# Altium PCB AFE.PcbDoc (part 1 of 2) (continued)
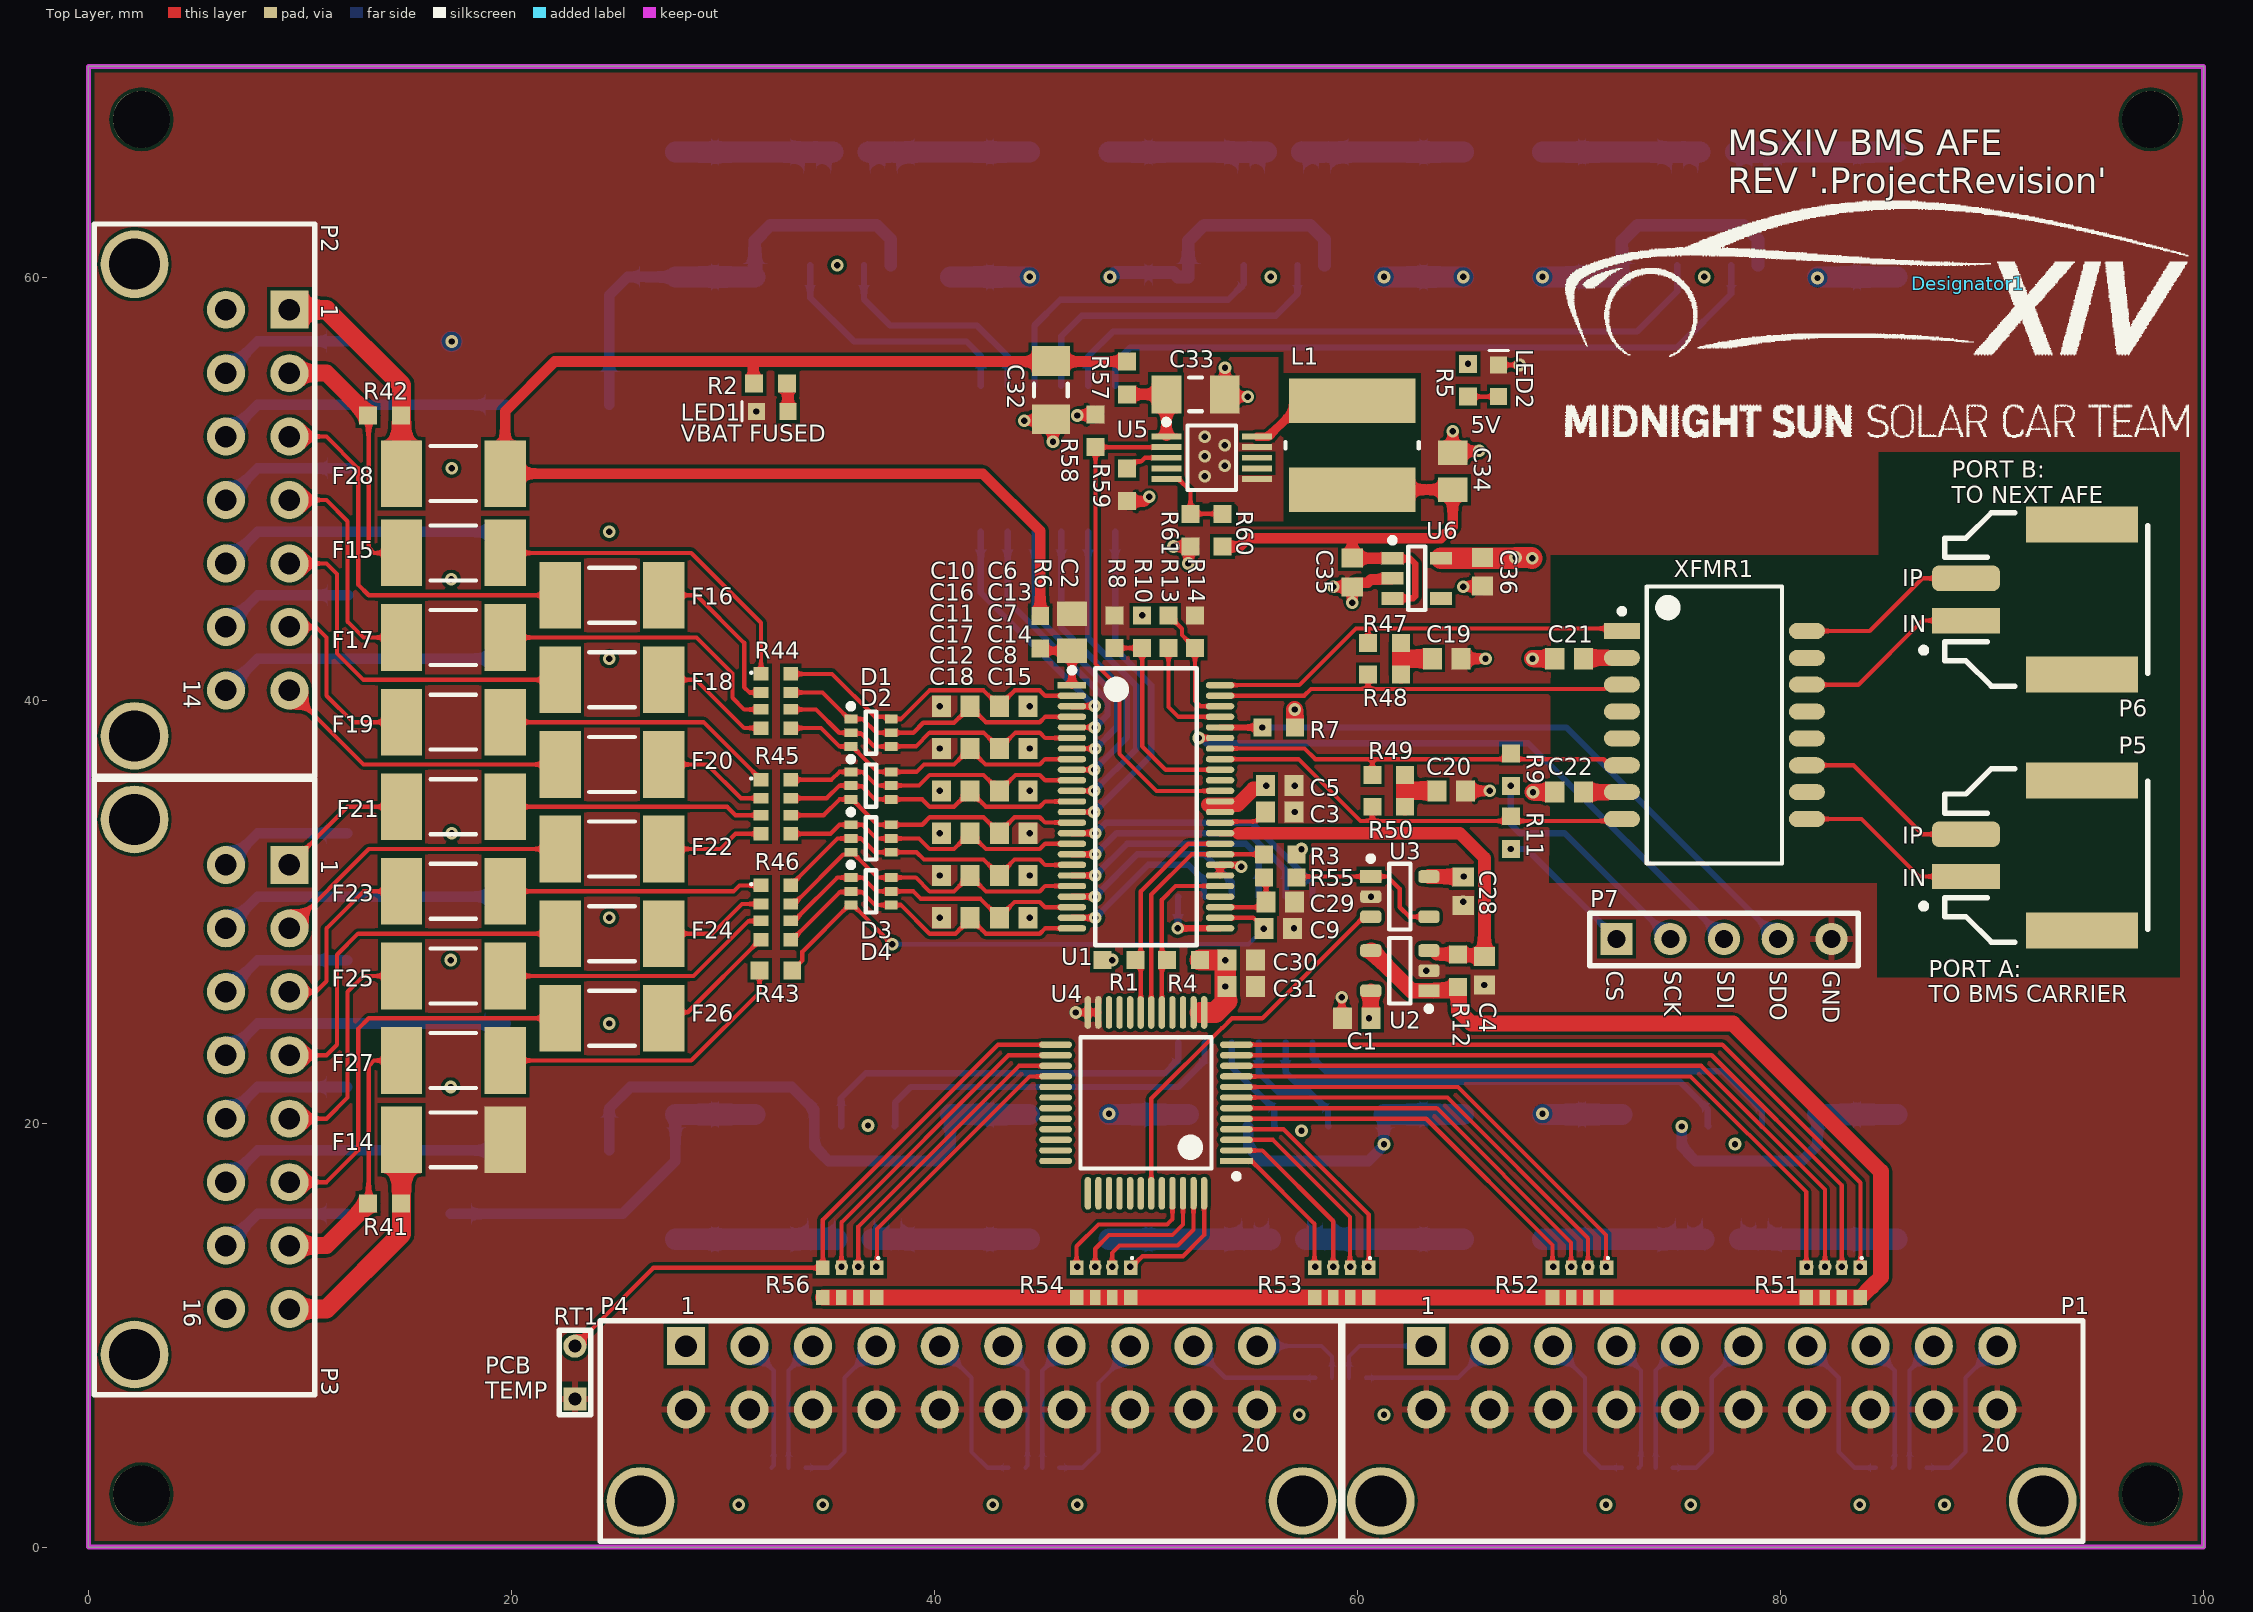
[diagram p0: Top Layer view]
## Part data (continued)
LED1: "Red 631nm LED Indication - Discrete 2V 0603 (1608 Metric)", Color=Red, Current - Test=20mA, Lens Color=Colorless, Manufacturer="Wurth Electronics Inc.", Manufacturer Part Number=150060RS75000, Millicandela Rating=250mcd, Package / Case="0603 (1608 Metric)", Supplier Device Package=0603, Supplier Part Number 1=732-4978-1-ND, Voltage - Forward (Vf) (Typ)=2V, Category=Optoelectronics, ComponentLink1Description=http://katalog.we-online.de/led/datasheet/150060RS75000.pdf, ComponentLink1URL=http://katalog.we-online.de/led/datasheet/150060RS75000.pdf, Features=-, Height (Max)=0.80mm, Lens Style/Size="Rectangle with Flat Top, 1.10mm x 0.70mm", Lens Transparency=Clear, Mounting Type="Surface Mount", Packaging="Cut Tape (CT)", Part Status=Active, Pricing 1="1=0.21, 100=0.1617, 500=0.13964 (CAD)", RoHS="RoHS Compliant", Size / Dimension="1.60mm L x 0.80mm W", Stock 1=35521, Supplier 1=Digi-Key, Viewing Angle=140°, Wavelength - Dominant=625nm, Wavelength - Peak=630nm
LED2: "Green 572nm LED Indication - Discrete 2V 0603 (1608 Metric)", Color=Green, Current - Test=20mA, Lens Color=Colorless, Manufacturer="Wurth Electronics Inc.", Manufacturer Part Number=150060VS75000, Millicandela Rating=40mcd, Package / Case="0603 (1608 Metric)", Supplier Device Package=0603, Supplier Part Number 1=732-4980-1-ND, Voltage - Forward (Vf) (Typ)=2V, Category=Optoelectronics, ComponentLink1Description=http://katalog.we-online.de/led/datasheet/150060VS75000.pdf, ComponentLink1URL=http://katalog.we-online.de/led/datasheet/150060VS75000.pdf, Features=-, Height (Max)=0.80mm, Lens Style/Size="Rectangle with Flat Top, 1.10mm x 0.70mm", Lens Transparency=Clear, Mounting Type="Surface Mount", Packaging="Cut Tape (CT)", Part Status=Active, Pricing 1="1=0.21, 100=0.1617, 500=0.13964 (CAD)", RoHS="RoHS Compliant", Size / Dimension="1.60mm L x 0.80mm W", Stock 1=9408, Supplier 1=Digi-Key, Viewing Angle=140°, Wavelength - Dominant=570nm, Wavelength - Peak=572nm
P1 P4: "Connector Header Through Hole, Right Angle 20 position 0.118\" (3.00mm)", Color=Black, Contact Resistance=10mR, Manufacturer=Molex, Manufacturer Part Number=0430452021, Max Operating Temperature=105°C, Min Operating Temperature=-40°C, Supplier Part Number 1=WM20137-ND, ComponentLink1Description=https://datasheet.ciiva.com/6841/430450223-sd-6841489.pdf?src-supplier=Digi-Key, ComponentLink1URL=https://datasheet.ciiva.com/6841/430450223-sd-6841489.pdf?src-supplier=Digi-Key, ComponentLink2Description=https://datasheet.ciiva.com/10077/0430452021-pcb-headers-10077829.pdf?src-supplier=Avnet, ComponentLink2URL=https://datasheet.ciiva.com/10077/0430452021-pcb-headers-10077829.pdf?src-supplier=Avnet, Connector Type="Male Pin", Contact Material=Brass, Contact Plating=Tin, Depth=12.2mm, Fastening Type=Ramp, Housing Color=Black, Housing Material=Polymer, Length=34.15mm, Mount="Through Hole", Number of Contacts=20, Number of Positions=20, Number of Rows=2, Orientation="Right Angle", Packaging=Tray, Pitch=3mm, Pricing 1="1=5.68000, 10=5.44900, 25=4.99520, 50=4.76820, 100=4.54120, 250=3.97356, 648=3.86002, 1296=3.29237, 2592=3.06531 (USD)", RoHS=Yes, Row Spacing=0.118inch, Stock 1=1054, Supplier 1=Digi-Key, Termination=Solder
P2: "Connector Header Through Hole, Right Angle 14 position 0.118\" (3.00mm)", Color=Black, Contact Resistance=10mR, Manufacturer=Molex, Manufacturer Part Number=0430451421, Max Operating Temperature=105°C, Max Voltage Rating (AC)=250V, Min Operating Temperature=-40°C, Package Quantity=936, Supplier Part Number 1=WM14571-ND, ComponentLink1Description=https://datasheet.ciiva.com/6841/430450223-sd-6841489.pdf?src-supplier=Digi-Key, ComponentLink1URL=https://datasheet.ciiva.com/6841/430450223-sd-6841489.pdf?src-supplier=Digi-Key, Connector Type="Male Pin", Contact Material=Brass, Contact Plating=Tin, Depth=12.2mm, Fastening Type=Ramp, Housing Color=Black, Housing Material=Polymer, Length=25.15mm, Max Voltage Rating (DC)=250V, Mount="Through Hole", Number of Contacts=14, Number of Positions=14, Number of Rows=2, Orientation="Right Angle", Packaging=Tray, Pitch=3mm, Pricing 1="1=4.12000, 10=3.95700, 25=3.62760, 50=3.46260, 100=3.29780, 250=2.88556, 936=2.55579, 1872=2.30846, 2808=2.22601 (USD)", RoHS=Yes, Row Spacing=0.118inch, Stock 1=776, Supplier 1=Digi-Key, Termination=Solder
P3: "Connector Header Through Hole, Right Angle 16 position 0.118\" (3.00mm)", Color=Black, Contact Resistance=10mR, Manufacturer=Molex, Manufacturer Part Number=0430451621, Max Operating Temperature=105°C, Min Operating Temperature=-40°C, Package Quantity=792, Supplier Part Number 1=WM14573-ND, ComponentLink1Description=https://datasheet.ciiva.com/6841/430450223-sd-6841489.pdf?src-supplier=Digi-Key, ComponentLink1URL=https://datasheet.ciiva.com/6841/430450223-sd-6841489.pdf?src-supplier=Digi-Key, Connector Type="Male Pin", Contact Material=Brass, Contact Plating=Tin, Depth=12.2mm, Fastening Type=Ramp, Housing Color=Black, Housing Material=Polymer, Length=28.15mm, Mount="Through Hole", Number of Contacts=16, Number of Positions=16, Number of Rows=2, Orientation="Right Angle", Packaging=Tray, Pitch=3mm, Pricing 1="1=4.58000, 10=4.39500, 25=4.02880, 50=3.84560, 100=3.66240, 250=3.20460, 792=2.83836, 1584=2.56368, 3168=2.47212 (USD)", RoHS=Yes, Row Spacing=0.118inch, Stock 1=701, Supplier 1=Digi-Key, Termination=Solder
P5 P6: "2 Positions Header, Shrouded Connector 0.079\" (2.00mm) Surface Mount, Right Angle Tin", Current Rating=-, Insulation Color=Natural, Manufacturer 1="Molex, LLC", Manufacturer Part Number 1=5023520200, Material Flammability Rating="UL94 V-0", Supplier Part Number 1=WM7169CT-ND, ComponentLink1Description=http://www.molex.com/pdm_docs/sd/5023520200_sd.pdf, ComponentLink1URL=http://www.molex.com/pdm_docs/sd/5023520200_sd.pdf, Connector Type=Header, Contact Finish - Mating=Tin, Contact Finish - Post=Tin, Contact Finish Thickness - Mating=-, Contact Finish Thickness - Post=-, Contact Length - Mating="0.135\" (3.45mm)", Contact Length - Post=-, Contact Material="Copper Alloy", Contact Shape=Square, Contact Type="Male Pin", Fastening Type="Latch Lock", Ingress Protection=-, Insulation Height="0.252\" (6.40mm)", Insulation Material="Polyamide (PA), Nylon", Mated Stacking Heights=11mm, Mounting Type="Surface Mount, Right Angle", Number of Positions=2, Number of Positions Loaded=All, Number of Rows=1, Operating Temperature=-, Overall Contact Length=-, Packaging="Cut Tape (CT)", Part Status=Active, Pitch - Mating="0.079\" (2.00mm)", Row Spacing - Mating=-, Series=DuraClik, Shrouding="Shrouded - 4 Wall", Style="Board to Cable/Wire", Supplier 1=Digi-Key, Termination=Solder, Voltage=-
P7: library part "CONN 5POS HEADR MALE 0.1in", "5 Positions Header, Breakaway Connector 0.100\" (2.54mm) Through Hole Tin", Colour=Black, Contact Resistance=20mR, Manufacturer 1=Molex, Manufacturer Part Number 1=0022284050, Max Operating Temperature=75°C, Max Voltage Rating (AC)=250V, Min Operating Temperature=0°C, Supplier Part Number 1=WM50014-05-ND, ComponentLink1Description=https://datasheet.ciiva.com/6814/022284363-sd-6814049.pdf, ComponentLink1URL=https://datasheet.ciiva.com/6814/022284363-sd-6814049.pdf, ComponentLink2Description=https://datasheet.ciiva.com/14804/179390022284050-pcb-headers-14804361.pdf, ComponentLink2URL=https://datasheet.ciiva.com/14804/179390022284050-pcb-headers-14804361.pdf, ComponentLink3Description=https://datasheet.ciiva.com/15217/getdatasheetpartid-256138-15217709.pdf, ComponentLink3URL=https://datasheet.ciiva.com/15217/getdatasheetpartid-256138-15217709.pdf, Connector Type="Male Pin", Contact Material=Bronze,Brass, Contact Mating Length=0.24inch, Contact Plating=Nickel,Tin, Depth=2.49mm, Description 1="Conn Unshrouded Header HDR 5 POS 2.54mm Solder ST Thru-Hole KK® Bag", Gender=Male, Housing Colour=Black, Housing Material=Nylon, Length=12.7mm, Max Voltage Rating (DC)=250V, Mount="Through Hole", Number of Contacts=5, Number of Positions=5, Number of Rows=1, Orientation=Straight, Packaging=Bulk, Pitch=2.54mm, Pricing 1="1=0.22, 10=0.21, 25=0.1796, 50=0.157, 100=0.1459, 250=0.129, 500=0.1234 (USD)", Stock 1=3161, Supplier 1=Digi-Key, Termination=Solder
Q1 Q2 Q3 Q4 Q5 Q6: "Mosfet Array 2 P-Channel (Dual) 40V 8A 3.2W Surface Mount 8-SO", Current - Continuous Drain (Id) @ 25°C=8A, Drain to Source Voltage (Vdss)=40V, Input Capacitance (Ciss) (Max) @ Vds="2000pF @ 20V", Manufacturer 1="Vishay Siliconix", Manufacturer Part Number 1=SI4909DY-T1-GE3, Operating Temperature="-55°C ~ 150°C (TJ)", Package / Case="8-SOIC (0.154\", 3.90mm Width)", Power - Max=3.2W, Supplier Device Package=8-SO, Supplier Part Number 1=SI4909DY-T1-GE3CT-ND, Category="Discrete Semiconductor Products", ComponentLink1Description=http://www.vishay.com/docs/67077/si4909dy.pdf, ComponentLink1URL=http://www.vishay.com/docs/67077/si4909dy.pdf, Description 1="MOSFET 2P-CH 40V 8A 8SO", FET Feature="Logic Level Gate", FET Type="2 P-Channel (Dual)", Gate Charge (Qg) (Max) @ Vgs="63nC @ 10V", Mounting Type="Surface Mount", Packaging="Cut Tape (CT)", Part Status=Active, Pricing 1="1=1.57, 10=1.407, 25=1.3352, 100=1.0969, 250=1.02536, 500=0.90614, 1000=0.71538 (CAD)", Rds On (Max) @ Id, Vgs="27 mOhm @ 8A, 10V", RoHS="RoHS Compliant", Stock 1=11582, Supplier 1=Digi-Key, Vgs(th) (Max) @ Id="2.5V @ 250µA"
R1 R3 R4 R5 R7: "4.7k Ohm ±1% 0.1W, 1/10W Chip Resistor 0603 (1608 Metric) Moisture Resistant Thick Film", Manufacturer 1=Yageo, Manufacturer Part Number 1=RC0603FR-074K7L, Operating Temperature="-55°C ~ 155°C", Package / Case="0603 (1608 Metric)", Power (Watts)=1/10W, Resistance (Ohms)=4.7k, Supplier Device Package=0603, Supplier Part Number 1=311-4.70KHRCT-ND, Temperature Coefficient=±100ppm/°C, Tolerance=±1%, Category=Resistors, ComponentLink1Description=http://www.yageo.com/documents/recent/PYu-RC_Group_51_RoHS_L_7.pdf, ComponentLink1URL=http://www.yageo.com/documents/recent/PYu-RC_Group_51_RoHS_L_7.pdf, Composition="Thick Film", Description 1="RES SMD 4.7K OHM 1% 1/10W 0603", Failure Rate=-, Features="Moisture Resistant", Height - Seated (Max)="0.022\" (0.55mm)", Packaging="Cut Tape (CT)", Part Status=Active, Pricing 1="1=0.16, 10=0.022, 100=0.0089, 1000=0.00402, 2500=0.00349 (CAD)", RoHS="RoHS Compliant", Size / Dimension="0.063\" L x 0.031\" W (1.60mm x 0.80mm)", Stock 1=3487566, Supplier 1=Digi-Key
R2: "RES SMD 100K OHM 5% 1/10W 0603", Manufacturer 1=Yageo, Manufacturer Part Number 1=RC0603JR-07100KL, Operating Temperature="-55°C ~ 155°C", Package / Case="0603 (1608 Metric)", Power=1/10W, Resistance=100k, Supplier Device Package=0603, Supplier Part Number 1=311-100KGRCT-ND, Temperature Coefficient=±100ppm/°C, Tolerance=±5%, ComponentLink1Description=http://www.yageo.com/documents/recent/PYu-RC_Group_51_RoHS_L_7.pdf, ComponentLink1URL=http://www.yageo.com/documents/recent/PYu-RC_Group_51_RoHS_L_7.pdf, Composition="Thick Film", Failure Rate=-, Height - Seated (Max)="0.022\" (0.55mm)", Packaging="Cut Tape (CT)", Part Status=Active, Size / Dimension="0.063\" L x 0.031\" W (1.60mm x 0.80mm)", Supplier 1=Digi-Key
R6 R43 R55: "100 Ohm ±1% 0.1W, 1/10W Chip Resistor 0603 (1608 Metric) Moisture Resistant Thick Film", Manufacturer 1=Yageo, Manufacturer Part Number 1=RC0603FR-07100RL, Operating Temperature="-55°C ~ 155°C", Package / Case="0603 (1608 Metric)", Power=1/10W, Resistance=100, Supplier Device Package=0603, Supplier Part Number 1=311-100HRCT-ND, Temperature Coefficient=±100ppm/°C, Tolerance=±1%, ComponentLink1Description=http://www.yageo.com/documents/recent/PYu-RC_Group_51_RoHS_L_7.pdf, ComponentLink1URL=http://www.yageo.com/documents/recent/PYu-RC_Group_51_RoHS_L_7.pdf, Composition="Thick Film", Failure Rate=-, Height - Seated (Max)="0.022\" (0.55mm)", Packaging="Cut Tape (CT)", Part Status=Active, Size / Dimension="0.063\" L x 0.031\" W (1.60mm x 0.80mm)", Supplier 1=Digi-Key
R8 R9 R10 R11 R12 R41 R42: "RES SMD 0.0 OHM JUMPER 1/4W 0603", Manufacturer 1="Vishay Dale", Manufacturer Part Number 1=CRCW06030000Z0EAHP, Operating Temperature="-55°C ~ 155°C", Package / Case="0603 (1608 Metric)", Power (Watts)=1/4W, Resistance=0.0, Supplier Device Package=0603, Supplier Part Number 1=541-0.0SBCT-ND, ComponentLink1Description=http://www.vishay.com/docs/20043/crcwhpe3.pdf, ComponentLink1URL=http://www.vishay.com/docs/20043/crcwhpe3.pdf, Composition="Thick Film", Failure Rate=-, Height - Seated (Max)="0.022\" (0.55mm)", Packaging="Cut Tape (CT)", Part Status=Active, Size / Dimension="0.063\" L x 0.033\" W (1.60mm x 0.85mm)", Supplier 1=Digi-Key
R13: "RES SMD 1.4K OHM 1% 1/10W 0603", Manufacturer 1=Yageo, Manufacturer Part Number 1=RC0603FR-071K4L, Operating Temperature="-55°C ~ 155°C", Package / Case="0603 (1608 Metric)", Power=1/10W, Resistance=1.4k, Supplier Device Package=0603, Supplier Part Number 1=311-1.40KHRCT-ND, Temperature Coefficient=±100ppm/°C, Tolerance=±1%, ComponentLink1Description=http://www.yageo.com/documents/recent/PYu-RC_Group_51_RoHS_L_7.pdf, ComponentLink1URL=http://www.yageo.com/documents/recent/PYu-RC_Group_51_RoHS_L_7.pdf, Composition="Thick Film", Failure Rate=-, Height - Seated (Max)="0.022\" (0.55mm)", Packaging="Cut Tape (CT)", Part Status=Active, Size / Dimension="0.063\" L x 0.031\" W (1.60mm x 0.80mm)", Supplier 1=Digi-Key
R14: "RES SMD 604 OHM 1% 1/10W 0603", Manufacturer 1=Yageo, Manufacturer Part Number 1=RC0603FR-07604RL, Operating Temperature="-55°C ~ 155°C", Package / Case="0603 (1608 Metric)", Power=1/10W, Resistance=604, Supplier Device Package=0603, Supplier Part Number 1=311-604HRCT-ND, Temperature Coefficient=±100ppm/°C, Tolerance=±1%, ComponentLink1Description=http://www.yageo.com/documents/recent/PYu-RC_Group_51_RoHS_L_7.pdf, ComponentLink1URL=http://www.yageo.com/documents/recent/PYu-RC_Group_51_RoHS_L_7.pdf, Composition="Thick Film", Failure Rate=-, Height - Seated (Max)="0.022\" (0.55mm)", Packaging="Cut Tape (CT)", Part Status=Active, Size / Dimension="0.063\" L x 0.031\" W (1.60mm x 0.80mm)", Supplier 1=Digi-Key
R15 R16 R17 R18 R19 R20 R21 R22 R23 R24 R25 R26 R28 R29 R30 R31 R32 R33 R34 R35 R36 R37 R38 R39: "33 Ohms ±5% 1.5W Chip Resistor 2512 (6432 Metric) Automotive AEC-Q200, Pulse Withstanding Thick Film", Manufacturer="Stackpole Electronics Inc.", Manufacturer Part Number=RPC2512JT33R0, Operating Temperature="-55°C ~ 155°C", Package / Case="2512 (6432 Metric)", Power (Watts)=1.5W, Supplier Device Package=2512, Supplier Part Number 1=RPC2512JT33R0CT-ND, Temperature Coefficient=±100ppm/°C, Tolerance=±5%, Category=Resistors, ComponentLink1Description=https://www.seielect.com/Catalog/SEI-rpc.pdf, ComponentLink1URL=https://www.seielect.com/Catalog/SEI-rpc.pdf, Composition="Thick Film", Failure Rate=-, Features="Automotive AEC-Q200, Pulse Withstanding", Height - Seated (Max)="0.026\" (0.65mm)", Packaging="Cut Tape (CT)", Part Status=Active, Pricing 1="1=0.88, 10=0.632, 100=0.3284, 1000=0.17685 (CAD)", RoHS="RoHS Compliant", Size / Dimension="0.250\" L x 0.122\" W (6.35mm x 3.10mm)", Stock 1=28556, Supplier 1=Digi-Key
R27 R40: "3.3k Ohm ±2% 160mW Power Per Element Isolated  Resistor Network/Array ±100ppm/°C 16-SOIC (0.220\", 5.59mm Width)", Case/Package=SOIC, Manufacturer=Bourns, Manufacturer Part Number=4816P-1-332LF, Max Operating Temperature=125°C, Min Operating Temperature=-55°C, Number of Resistors=8, Package Quantity=1, Power Per Element=160mW, Power Rating=1.28W, Resistance=3.3kR, Supplier Part Number 1=4816P-1-332LFCT-ND, Temperature Coefficient=100ppm/°C, Tolerance=2%, Voltage Rating (DC)=50V, Circuit Type=Isolated, ComponentLink1Description=https://datasheet.ciiva.com/6494/4800p-6494310.pdf?src-supplier=Digi-Key, ComponentLink1URL=https://datasheet.ciiva.com/6494/4800p-6494310.pdf?src-supplier=Digi-Key, ComponentLink2Description=https://datasheet.ciiva.com/6494/4800p-6494312.pdf?src-supplier=Digi-Key, ComponentLink2URL=https://datasheet.ciiva.com/6494/4800p-6494312.pdf?src-supplier=Digi-Key, ComponentLink3Description=https://datasheet.ciiva.com/16826/4800p-16826713.pdf?src-supplier=Avnet+Europe, ComponentLink3URL=https://datasheet.ciiva.com/16826/4800p-16826713.pdf?src-supplier=Avnet+Europe, ComponentLink4Description=https://datasheet.ciiva.com/6494/4800p-6494315.pdf?src-supplier=Digi-Key, ComponentLink4URL=https://datasheet.ciiva.com/6494/4800p-6494315.pdf?src-supplier=Digi-Key, ComponentLink5Description=https://datasheet.ciiva.com/8370/4800p-8370733.pdf?src-supplier=Avnet, ComponentLink5URL=https://datasheet.ciiva.com/8370/4800p-8370733.pdf?src-supplier=Avnet, Depth=7.62mm, Height=0.085inch, Lead Pitch=1.27mm, Length=0.44inch, Military Standard=Not, Mount="Surface Mount", Number of Pins=16, Number of Terminals=16, Packaging="Tape and Reel", Pricing 1="1=1.31000, 10=1.15900, 25=1.06600, 50=0.97240, 100=0.84150, 250=0.71060, 500=0.59840, 1000=0.49742 (USD)", Radiation Hardening=No, RoHS=Yes, Stock 1=3189, Supplier 1=Digi-Key, Terminal Pitch=1.27mm, Termination="Gull Wing", Width=0.22inch
R44 R45 R46: "100 Ohm ±0.5% 100mW Power Per Element Isolated 4 Resistor Network/Array ±50ppm/°C 1206 (3216 Metric), Convex, Long Side Terminals", Case/Package=0612, Case Code (Imperial)=1206, Case Code (Metric)=3216, Manufacturer="Vishay Beyschlag", Manufacturer Part Number=ACASA1002S1002P100, Max Operating Temperature=125°C, Min Operating Temperature=-55°C, Number of Resistors=4, Operating Temperature="-55°C ~ 125°C", Package / Case="1206 (3216 Metric), Convex, Long Side Terminals", Package Quantity=1, Power Per Element=100mW, Power Rating=300mW, Resistance=100, Supplier Part Number 1=ACASA-100/100-2CT-ND, Temperature Coefficient=±50ppm/°C, Tolerance=±0.5%, Applications="Voltage Divider (TCR Matched)", Category=Resistors, Circuit Type=Isolated, ComponentLink3Description=https://datasheet.ciiva.com/8336/acaprof-8336568.pdf?src-supplier=Avnet, ComponentLink3URL=https://datasheet.ciiva.com/8336/acaprof-8336568.pdf?src-supplier=Avnet, Depth=1.5mm, Height=0.55mm, Height - Seated (Max)="0.022\" (0.55mm)", Length=1.5mm, Military Standard=Not, Mount="Surface Mount", Mounting Type="Surface Mount", Number of Pins=8, Number of Terminals=8, Packaging="Cut Tape (CT)", Part Status=Active, Pricing 1="1=0.74000, 10=0.54700, 25=0.44400, 50=0.38620, 100=0.31850, 250=0.27672, 500=0.22522 (USD)", Radiation Hardening=No, RoHS="RoHS Compliant", Size / Dimension="0.126\" L x 0.059\" W (3.20mm x 1.50mm)", Stock 1=5815, Supplier 1=Digi-Key, Supplier Device Package=0612, Terminal Pitch=0.8mm, Termination=Convex, Weight=0.000233oz, Width=3.2mm
R47 R48 R49 R50: library part "RES 62 OHM 0.1% 1/10W 0603", "62 Ohms ±0.1% 0.1W, 1/10W Chip Resistor 0603 (1608 Metric) Automotive AEC-Q200 Thin Film", Manufacturer="Panasonic Electronic Components", Manufacturer Part Number=ERA-3AEB620V, Operating Temperature="-55°C ~ 155°C", Package / Case="0603 (1608 Metric)", Power (Watts)="0.1W, 1/10W", Supplier Device Package=0603, Supplier Part Number 1=P62DBCT-ND, Temperature Coefficient=±25ppm/°C, Tolerance=±0.1%, Category=Resistors, ComponentLink1Description=https://industrial.panasonic.com/cdbs/www-data/pdf/RDM0000/AOA0000C307.pdf, ComponentLink1URL=https://industrial.panasonic.com/cdbs/www-data/pdf/RDM0000/AOA0000C307.pdf, Composition="Thin Film", Failure Rate=-, Features="Automotive AEC-Q200", Height - Seated (Max)="0.022\" (0.55mm)", Packaging="Cut Tape (CT)", Part Status=Active, Pricing 1="1=0.52, 10=0.447, 100=0.1748, 1000=0.07317, 2500=0.06708 (CAD)", RoHS="RoHS Compliant", Size / Dimension="0.063\" L x 0.032\" W (1.60mm x 0.80mm)", Stock 1=10320, Supplier 1=Digi-Key
R51 R52 R53 R54 R56: "10k Ohm ±0.1% 100mW Power Per Element Isolated 4 Resistor Network/Array ±25ppm/°C 1206 (3216 Metric), Convex, Long Side Terminals", Manufacturer="Vishay Beyschlag", Manufacturer Part Number=ACASA1002S1002P100, Number of Resistors=4, Operating Temperature="-55°C ~ 125°C", Package / Case="1206 (3216 Metric), Convex, Long Side Terminals", Power Per Element=100mW, Resistance (Ohms)=10k, Resistor-Ratio-Drift="±15 ppm/°C", Resistor Matching Ratio=±0.05%, Supplier Device Package=0612, Supplier Part Number 1=749-1023-1-ND, Temperature Coefficient=±25ppm/°C, Tolerance=±0.1%, Applications="Voltage Divider (TCR Matched)", Category=Resistors, Circuit Type=Isolated, ComponentLink1Description=http://www.vishay.com/docs/28751/acasprec.pdf, ComponentLink1URL=http://www.vishay.com/docs/28751/acasprec.pdf, Height - Seated (Max)="0.022\" (0.55mm)", Mounting Type="Surface Mount", Packaging="Cut Tape (CT)", Part Status=Active, Pricing 1="1=1.19, 10=0.99, 25=0.8484, 50=0.7636, 100=0.6647, 250=0.59392, 500=0.4808 (CAD)", RoHS="RoHS Compliant", Size / Dimension="0.126\" L x 0.059\" W (3.20mm x 1.50mm)", Stock 1=18780, Supplier 1=Digi-Key
R57: "RES SMD 820 OHM 5% 1/4W 0603", Manufacturer 1="Rohm Semiconductor", Manufacturer Part Number 1=ESR03EZPJ821, Operating Temperature="-55°C ~ 155°C", Package / Case="0603 (1608 Metric)", Power=1/4W, Resistance=820, Supplier Device Package=0603, Supplier Part Number 1=RHM820DCT-ND, Temperature Coefficient=±200ppm/°C, Tolerance=±5%, ComponentLink1Description=http://www.rohm.com/web/global/datasheet/ESR01MZPF/esr-e, ComponentLink1URL=http://www.rohm.com/web/global/datasheet/ESR01MZPF/esr-e, Composition="Thick Film", Failure Rate=-, Height - Seated (Max)="0.022\" (0.55mm)", Packaging="Cut Tape (CT)", Part Status=Active, Size / Dimension="0.063\" L x 0.031\" W (1.60mm x 0.80mm)", Supplier 1=Digi-Key
R58: "RES SMD 10K OHM 1% 1/10W 0603", Manufacturer 1=Yageo, Manufacturer Part Number 1=RC0603FR-0710KL, Operating Temperature="-55°C ~ 155°C", Package / Case="0603 (1608 Metric)", Power=1/10W, Resistance=10k, Supplier Device Package=0603, Supplier Part Number 1=311-10.0KHRCT-ND, Temperature Coefficient=±100ppm/°C, Tolerance=±1%, ComponentLink1Description=http://www.yageo.com/documents/recent/PYu-RC_Group_51_RoHS_L_7.pdf, ComponentLink1URL=http://www.yageo.com/documents/recent/PYu-RC_Group_51_RoHS_L_7.pdf, Composition="Thick Film", Failure Rate=-, Height - Seated (Max)="0.022\" (0.55mm)", Packaging="Cut Tape (CT)", Part Status=Active, Size / Dimension="0.063\" L x 0.031\" W (1.60mm x 0.80mm)", Supplier 1=Digi-Key
R59: "191k Ohm ±1% 0.1W, 1/10W Chip Resistor 0603 (1608 Metric) Moisture Resistant Thick Film", Manufacturer 1=Yageo, Manufacturer Part Number 1=RC0603FR-07191KL, Operating Temperature="-55°C ~ 155°C", Package / Case="0603 (1608 Metric)", Power=1/10W, Resistance=191k, Supplier Device Package=0603, Supplier Part Number 1=311-191KHRCT-ND, Temperature Coefficient=±100ppm/°C, Tolerance=±1%, ComponentLink1Description=http://www.yageo.com/documents/recent/PYu-RC_Group_51_RoHS_L_7.pdf, ComponentLink1URL=http://www.yageo.com/documents/recent/PYu-RC_Group_51_RoHS_L_7.pdf, Composition="Thick Film", Failure Rate=-, Height - Seated (Max)="0.022\" (0.55mm)", Packaging="Cut Tape (CT)", Part Status=Active, Size / Dimension="0.063\" L x 0.031\" W (1.60mm x 0.80mm)", Supplier 1=Digi-Key
R60: "255k Ohm ±1% 0.1W, 1/10W Chip Resistor 0603 (1608 Metric) Moisture Resistant Thick Film", Manufacturer 1=Yageo, Manufacturer Part Number 1=RC0603FR-07255KL, Operating Temperature="-55°C ~ 155°C", Package / Case="0603 (1608 Metric)", Power (Watts)=1/10W, Resistance (Ohms)=255k, Supplier Device Package=0603, Supplier Part Number 1=311-255KHRCT-ND, Temperature Coefficient=±100ppm/°C, Tolerance=±1%, Category=Resistors, ComponentLink1Description=http://www.yageo.com/documents/recent/PYu-RC_Group_51_RoHS_L_7.pdf, ComponentLink1URL=http://www.yageo.com/documents/recent/PYu-RC_Group_51_RoHS_L_7.pdf, Composition="Thick Film", Description 1="RES SMD 255K OHM 1% 1/10W 0603", Failure Rate=-, Features="Moisture Resistant", Height - Seated (Max)="0.022\" (0.55mm)", Packaging="Cut Tape (CT)", Part Status=Active, Pricing 1="1=0.16, 10=0.022, 100=0.0089, 1000=0.00402, 2500=0.00349 (CAD)", RoHS="RoHS Compliant", Size / Dimension="0.063\" L x 0.031\" W (1.60mm x 0.80mm)", Stock 1=106564, Supplier 1=Digi-Key
R61: "39.2k Ohm ±1% 0.1W, 1/10W Chip Resistor 0603 (1608 Metric) Moisture Resistant Thick Film", Manufacturer 1=Yageo, Manufacturer Part Number 1=RC0603FR-0739K2L, Operating Temperature="-55°C ~ 155°C", Package / Case="0603 (1608 Metric)", Power=1/10W, Resistance=39.2k, Supplier Device Package=0603, Supplier Part Number 1=311-39.2KHRCT-ND, Temperature Coefficient=±100ppm/°C, Tolerance=±1%, ComponentLink1Description=http://www.yageo.com/documents/recent/PYu-RC_Group_51_RoHS_L_7.pdf, ComponentLink1URL=http://www.yageo.com/documents/recent/PYu-RC_Group_51_RoHS_L_7.pdf, Composition="Thick Film", Failure Rate=-, Height - Seated (Max)="0.022\" (0.55mm)", Packaging="Cut Tape (CT)", Part Status=Active, Size / Dimension="0.063\" L x 0.031\" W (1.60mm x 0.80mm)", Supplier 1=Digi-Key
RT1: library part "NTC THERMISTOR 10K 1% BEAD", "NTC Thermistor 10k Bead", B Value Tolerance=±1%, Manufacturer="Murata Electronics North America", Manufacturer Part Number=NXRT15XH103FA1B030, Operating Temperature="-40°C ~ 125°C", Package / Case=Bead, Resistance in Ohms @ 25°C=10k, Supplier Part Number 1=490-8601-ND, B0/50=-, B25/50=3380K, B25/75=-, B25/85=3434K, B25/100=3455K, Category="Sensors, Transducers", ComponentLink1Description=https://www.murata.com/~/media/webrenewal/support/library/catalog/products/thermistor/ntc/r44e.ashx, ComponentLink1URL=https://www.murata.com/~/media/webrenewal/support/library/catalog/products/thermistor/ntc/r44e.ashx, Length - Lead Wire=-, Mounting Type="Through Hole", Packaging=Bulk, Part Status=Active, Pricing 1="1=0.96, 5=0.91, 10=0.792, 25=0.696, 50=0.5784, 100=0.4925, 500=0.42834, 1000=0.3748, 5000=0.33197 (CAD)", Resistance Tolerance=±1%, RoHS="RoHS Compliant", Stock 1=25017, Supplier 1=Digi-Key
U1: "Battery Battery Monitor IC Multi-Chemistry 48-SSOP", Manufacturer 1="Linear Technology", Manufacturer Part Number 1=LTC6804IG-1#PBF, Operating Temperature="-40°C ~ 85°C (TA)", Package / Case="48-FSOP (0.209\", 5.30mm Width)", Supplier Device Package=48-SSOP, Supplier Part Number 1=LTC6804IG-1#PBF-ND, Battery Chemistry=Multi-Chemistry, ComponentLink1Description=http://www.linear.com/docs/43171, ComponentLink1URL=http://www.linear.com/docs/43171, Fault Protection="Over/Under Voltage", Function="Battery Monitor", Interface="I²C, SPI", Number of Cells="1 ~ 12", Packaging=Tube, Part Status=Active, Supplier 1=Digi-Key
U2: "General Purpose Amplifier 1 Circuit Rail-to-Rail SOT-23-5", Case/Package=SOT-23-5, Input Bias Current=10pA, Input Offset Voltage (Vos)=25uV, Manufacturer="Texas Instruments", Manufacturer Part Number=OPA376AQDBVRQ1, Max Operating Temperature=125°C, Max Supply Voltage=5.5V, Min Operating Temperature=-40°C, Min Supply Voltage=2.2V, Nominal Supply Current=950uA, Operating Supply Current=760uA, Output Current=30mA, Output Current per Channel=50mA, Package Quantity=3000, Power Supply Rejection Ratio (PSRR)=106.02dB, Supplier Part Number 1=296-36701-1-ND, Voltage Gain=134dB, Common Mode Rejection Ratio=76dB, ComponentLink1Description=http://www.ti.com/lit/ds/sbos549/sbos549.pdf?src-supplier=Avnet, ComponentLink1URL=http://www.ti.com/lit/ds/sbos549/sbos549.pdf?src-supplier=Avnet, Gain Bandwidth Product=5.5MHz, Lead Free="Lead Free", Max I/O Voltage=25uV, Number of Channels=1, Number of Circuits=1, Number of Elements=1, Number of Pins=5, Packaging="Tape and Reel", Pricing 1="1 = 2.14000, 10 = 1.92200, 100 = 1.54450, 500 = 1.26896, 1000 = 1.05142 (USD)", Radiation Hardening=No, RoHS=Yes, Slew Rate=2V/µs, Stock 1=26635, Supplier 1=Digi-Key, Unity Gain Bandwidth Product=5.5MHz
U3: "General Purpose Amplifier 1 Circuit Rail-to-Rail SOT-23-5", Current - Output / Channel=50mA, Current - Supply=400µA, Manufacturer 1="Texas Instruments", Manufacturer Part Number 1=TLV316QDBVRQ1, Operating Temperature="-40°C ~ 125°C", Package / Case="SC-74A, SOT-753", Supplier Device Package=SOT-23-5, Supplier Part Number 1=296-45323-1-ND, Voltage - Supply, Single/Dual (±)="1.8 V ~ 5.5 V, ±0.9 V ~ 2.75 V", -3db Bandwidth=-, Amplifier Type="General Purpose", Category="Integrated Circuits (ICs)", ComponentLink1Description=http://www.ti.com/lit/ds/symlink/tlv316-q1.pdf, ComponentLink1URL=http://www.ti.com/lit/ds/symlink/tlv316-q1.pdf, Description 1="IC OP AMP GP RR 10MHZ 5-SOT-23", Mounting Type="Surface Mount", Number of Circuits=1, Output Type=Rail-to-Rail, Packaging="Cut Tape (CT)", Part Status=Active, Pricing 1="1=1.33, 10=1.185, 100=0.9234, 500=0.76276, 1000=0.60218 (CAD)", RoHS="RoHS Compliant", Slew Rate="6 V/µs", Stock 1=1747, Supplier 1=Digi-Key
U4: library part "IC 32x1 Multiplexer ADG731BCPZ", "IC MULTIPLEXER 32X1 48LFCSP", Manufacturer="Analog Devices Inc.", Manufacturer Part Number=ADG731BSUZ, Supplier Part Number 1=ADG731BSUZ-ND, Supplier 1=Digi-Key